# KiCad board BsidesKC-2022-Safe-Badge.kicad_pcb
title: BSidesKC2022; date: 2022-08-16; rev: 0-c; company: BadgePirates; note: Art: networkgeek; note: Schematic: FG
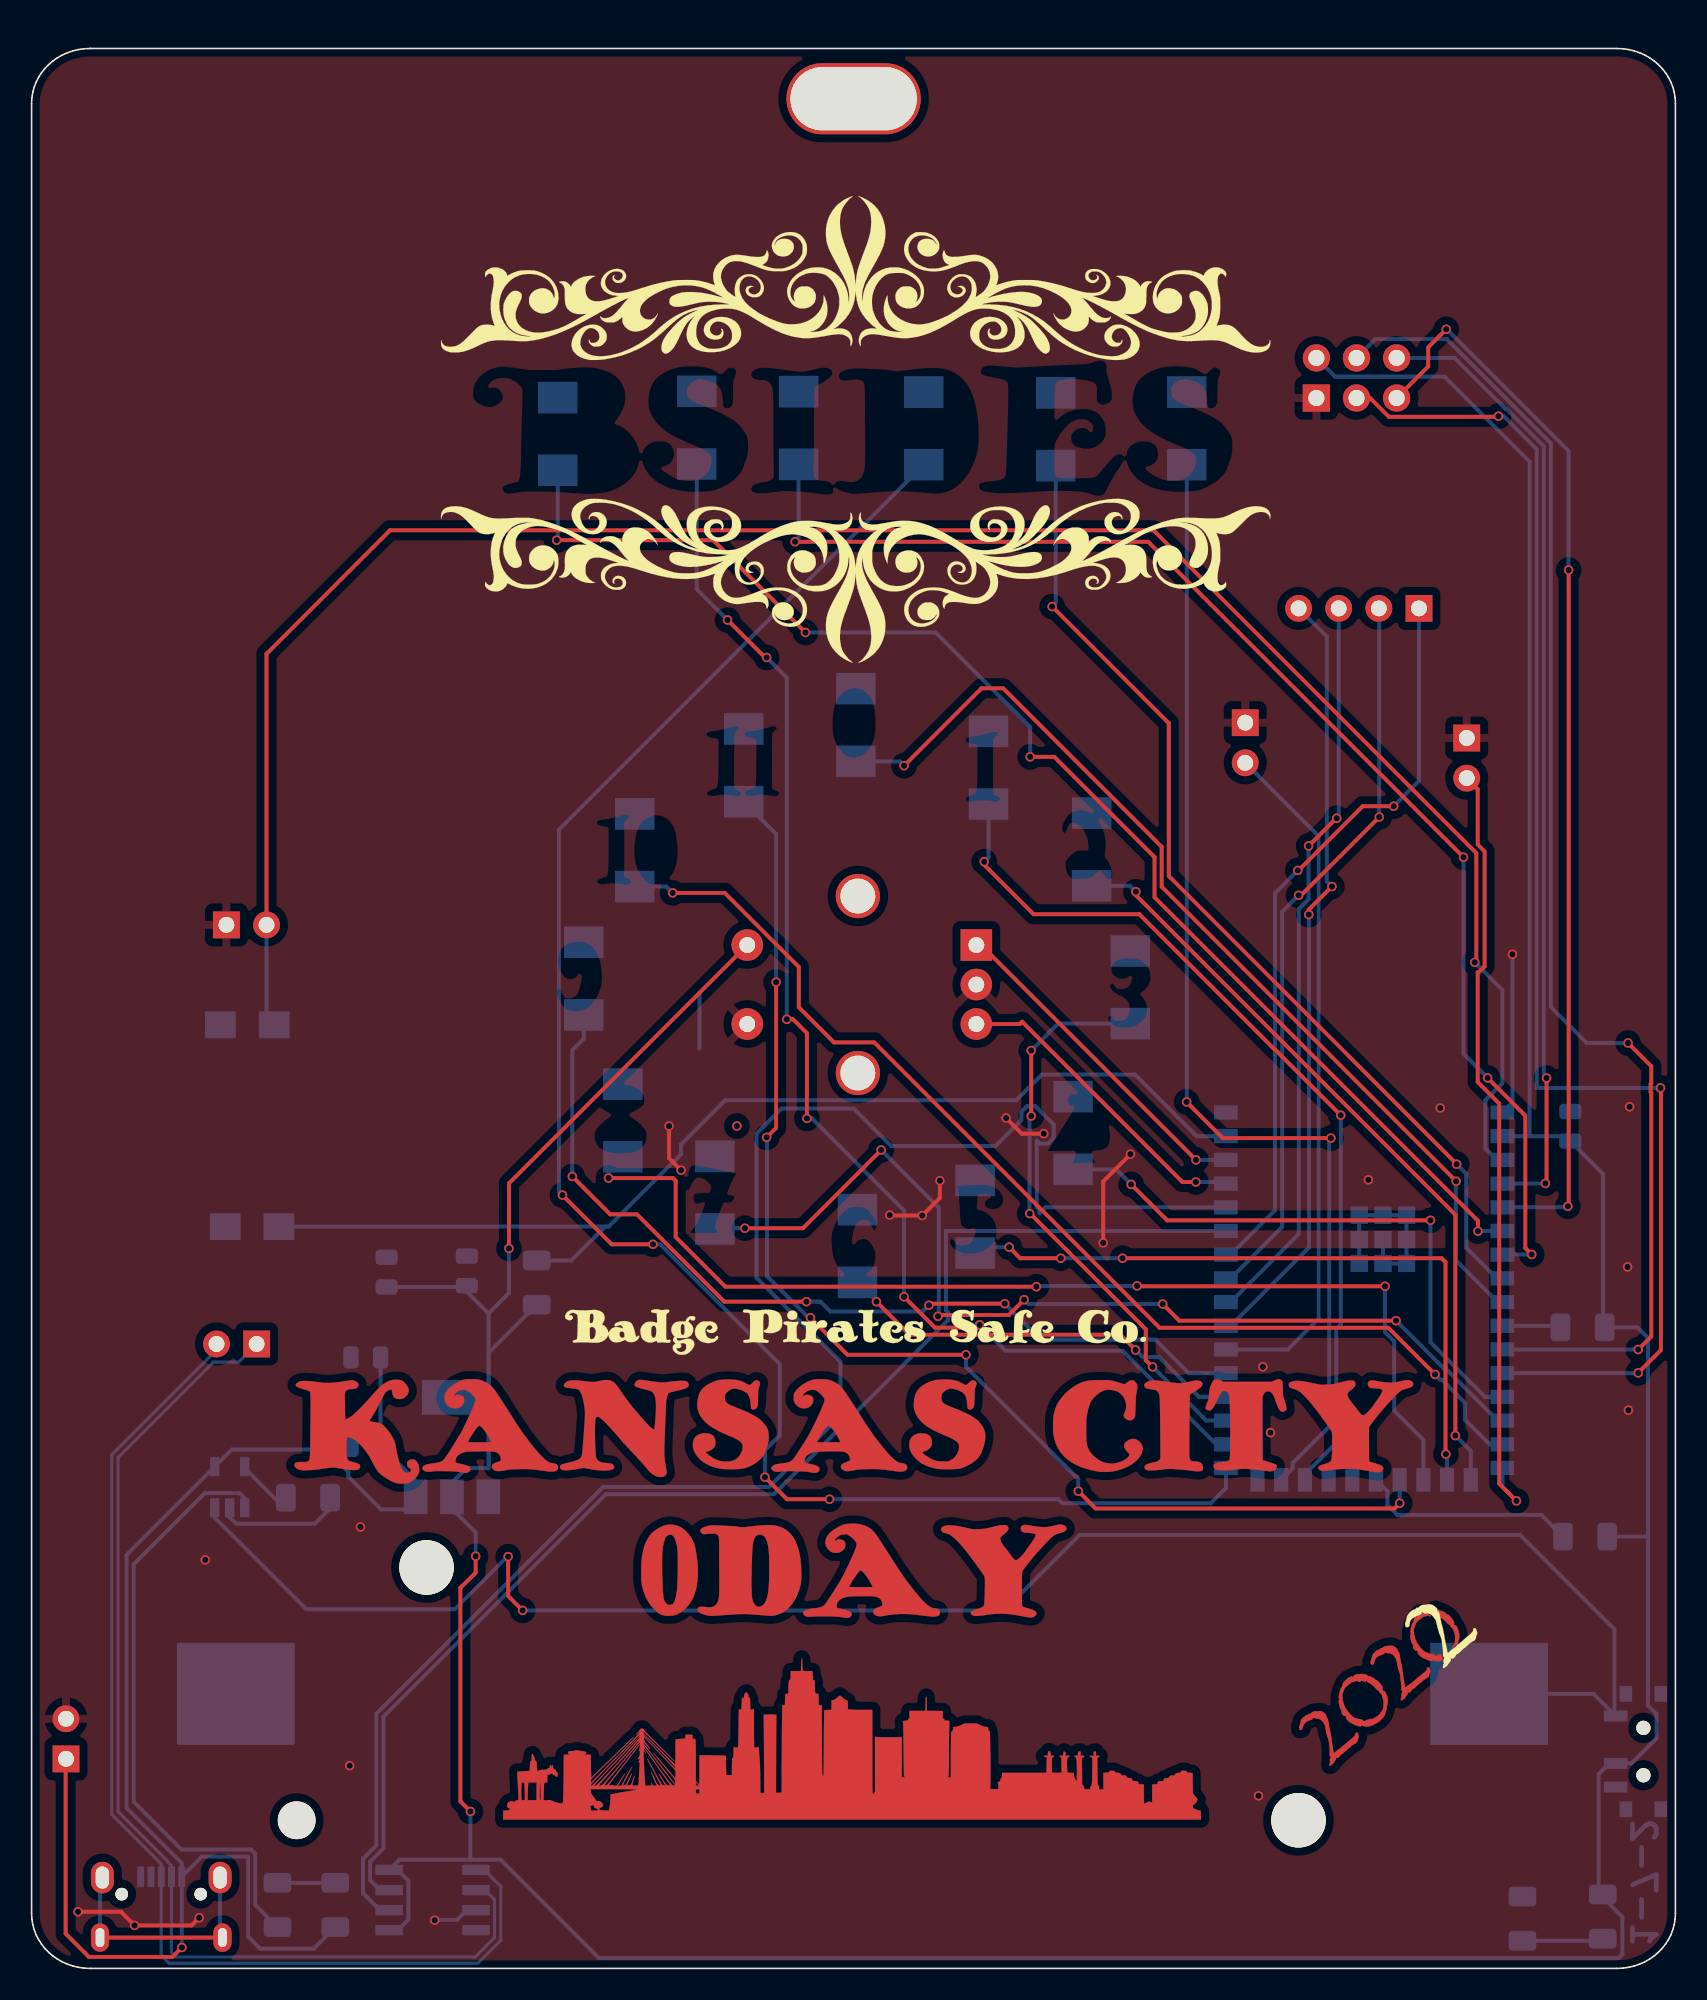
[diagram p0: board, top side]
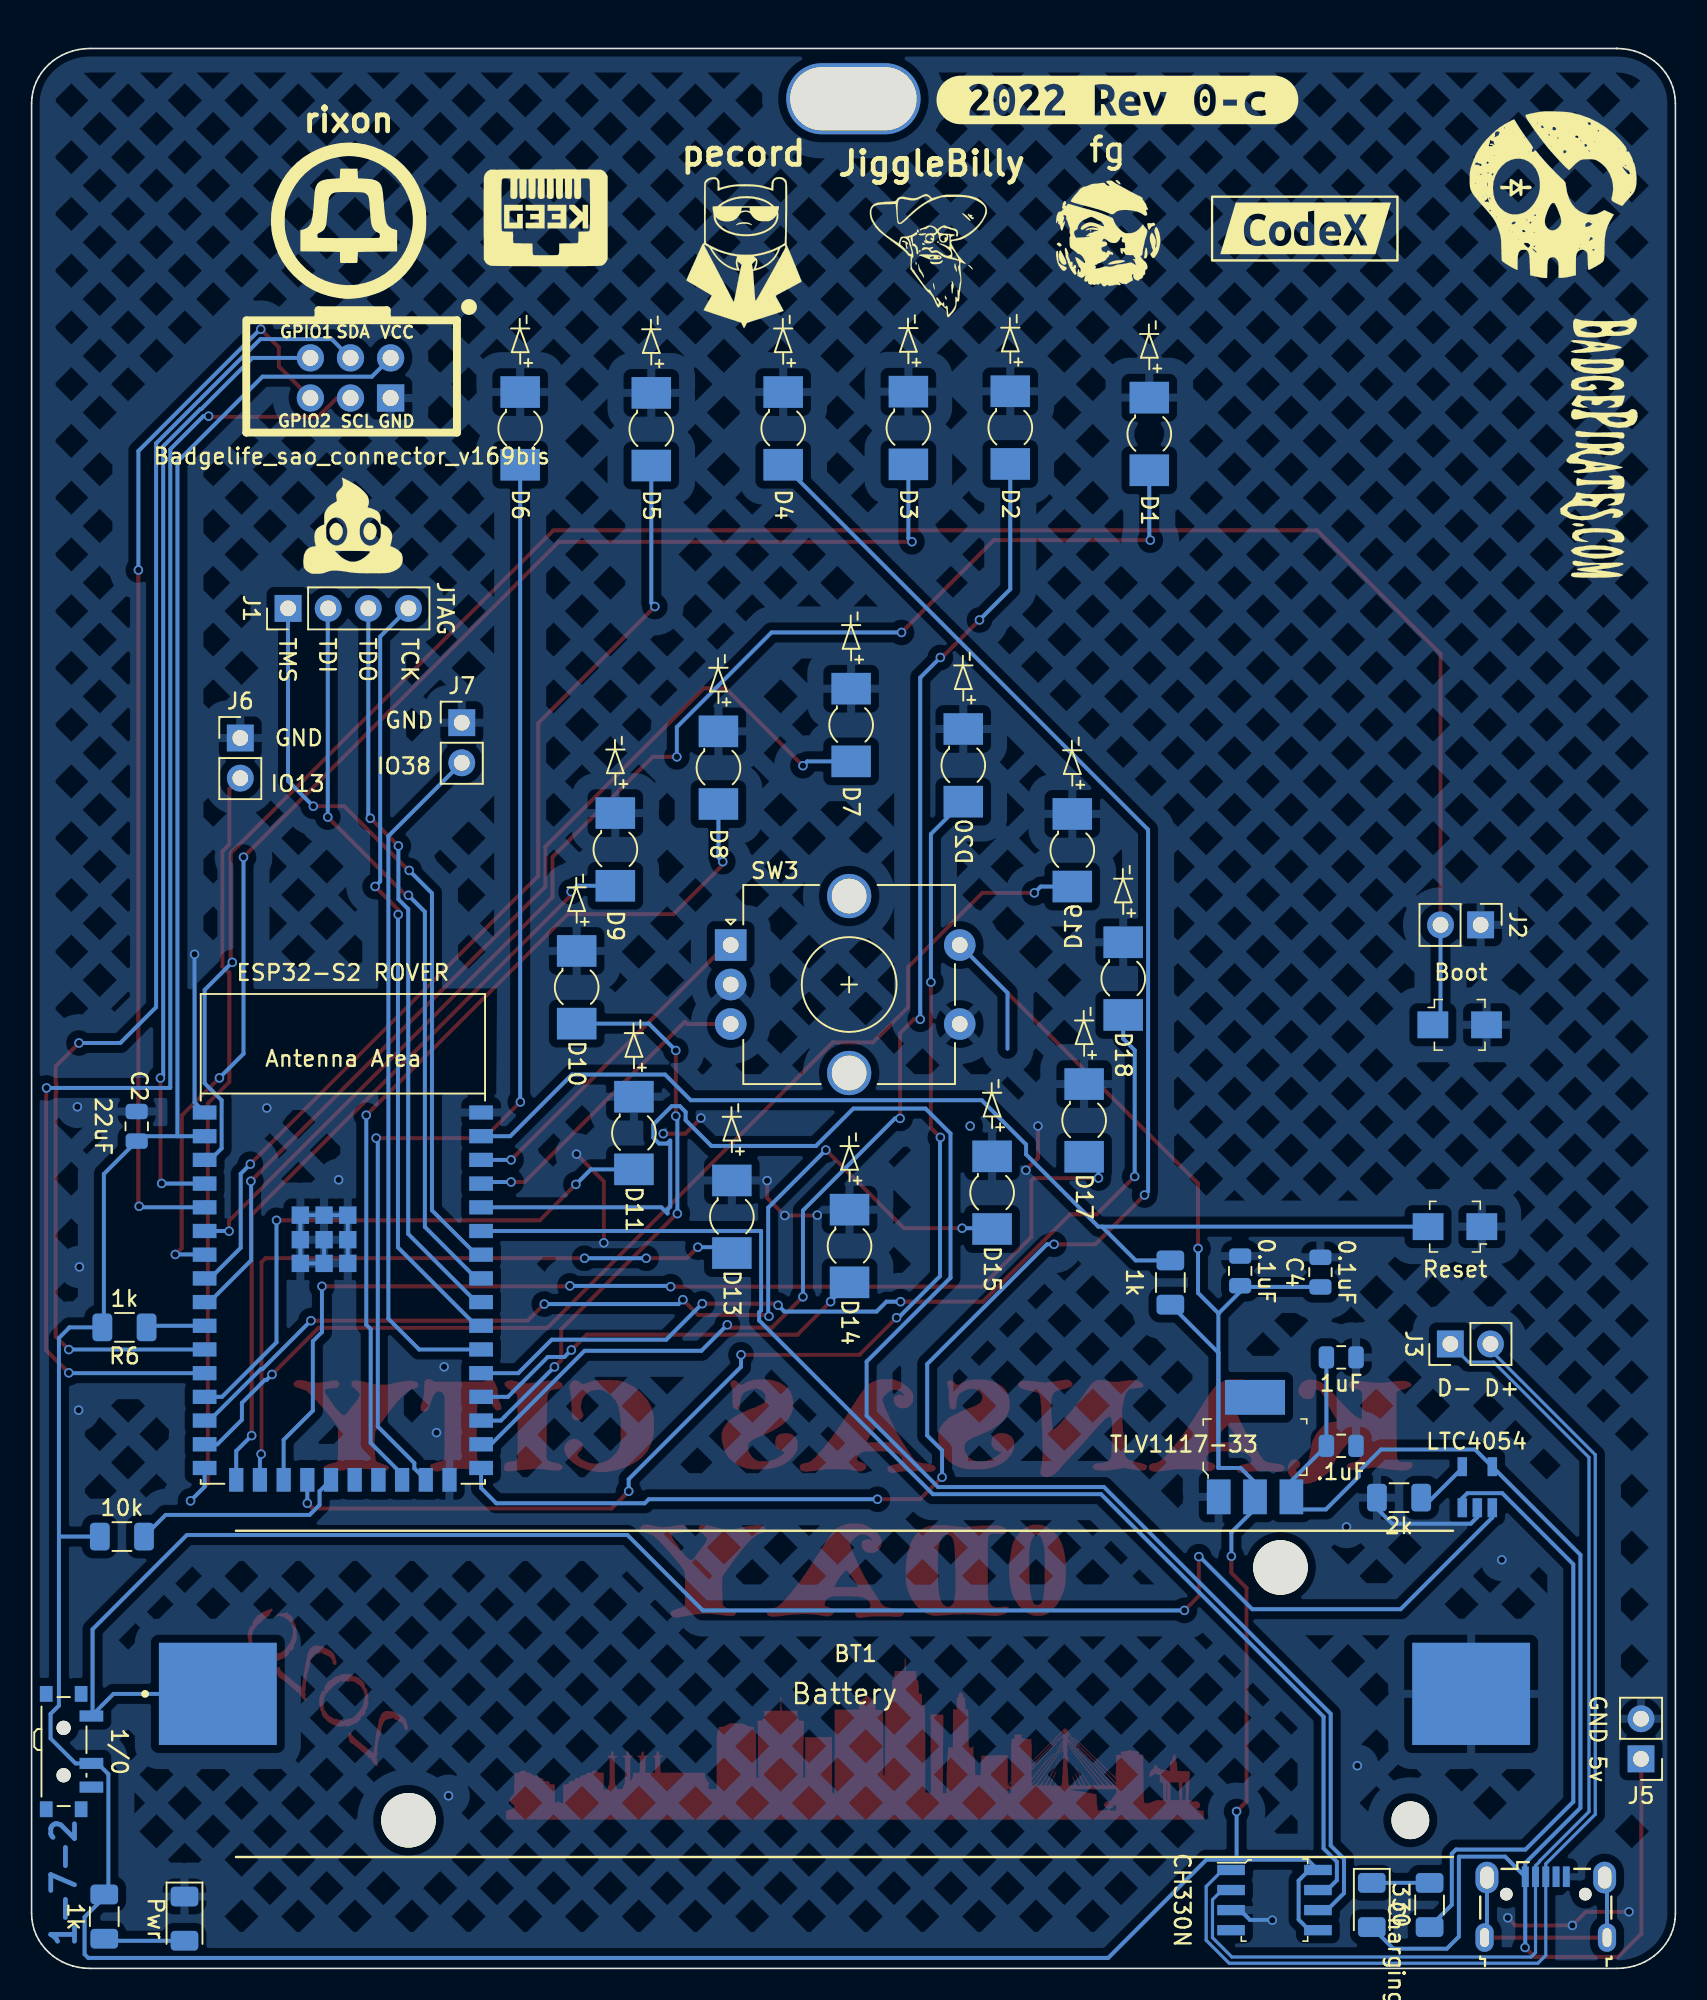
[diagram p1: board, bottom side, seen from below]

Outline 104.06 x 121.52 mm; copper layers: Top, Bottom. Coordinates in mm from the lower left corner of the outline.
Outline path: 0,118.05 0.02,118.4 0.07,118.75 0.17,119.08 0.29,119.4 0.45,119.71 0.63,119.99 0.84,120.26 1.08,120.51 1.35,120.73 1.63,120.93 1.94,121.1 2.26,121.25 2.6,121.37 2.96,121.45 3.32,121.51 3.7,121.52 100.36,121.52 100.74,121.51 101.1,121.45 101.46,121.37 101.8,121.25 102.12,121.1 102.43,120.93 102.71,120.73 102.98,120.51 103.22,120.26 103.43,119.99 103.61,119.71 103.77,119.4 103.89,119.08 103.99,118.75 104.04,118.4 104.06,118.05 104.06,3.48 104.04,3.12 103.99,2.77 103.89,2.44 103.77,2.12 103.61,1.82 103.43,1.53 103.22,1.26 102.98,1.02 102.71,0.79 102.43,0.59 102.12,0.42 101.8,0.27 101.46,0.16 101.1,0.07 100.74,0.02 100.36,0 3.7,0 3.32,0.02 2.96,0.07 2.6,0.16 2.26,0.27 1.94,0.42 1.63,0.59 1.35,0.79 1.08,1.02 0.84,1.26 0.63,1.53 0.45,1.82 0.29,2.12 0.17,2.44 0.07,2.77 0.02,3.12 0,3.48 0,118.05

## Placement (name value [footprint] x y rotation side)
1/0  SW_SPDT  [SW_SPDT_PCM12]  101.71 13.72 270 bottom
BT1  Battery  [Keystone-1042-0]  52.6 17.38 180 bottom
C1  1uF  [C_0805_2012Metric]  21.16 38.67 180 bottom
C2  22uF  [C_0805_2012Metric]  97.41 53.3 90 bottom
C3  0.1uF  [C_0805_2012Metric]  27.55 44.15 90 bottom
C4  0.1uF  [C_0805_2012Metric]  22.47 44.07 90 bottom
C5  .1uF  [C_0805_2012Metric]  21.16 33.07 180 bottom
D1  LED  [LED_Osram_Lx_P47F_D2mm_ReverseMount_Proper_Mask Only]  33.31 97.12 90 top
D2  LED  [LED_Osram_Lx_P47F_D2mm_ReverseMount_Proper_Mask Only]  42.11 97.52 90 top
D3  LED  [LED_Osram_Lx_P47F_D2mm_ReverseMount_Proper_Mask Only]  48.56 97.5 90 top
D4  LED  [LED_Osram_Lx_P47F_D2mm_ReverseMount_Proper_Mask Only]  56.48 97.47 90 top
D5  LED  [LED_Osram_Lx_P47F_D2mm_ReverseMount_Proper_Mask Only]  64.83 97.42 90 top
D6  LED  [LED_Osram_Lx_P47F_D2mm_ReverseMount_Proper_Mask Only]  73.13 97.47 90 top
D7  LED  [LED_Osram_Lx_P47F_D2mm_ReverseMount_Proper_Mask Only]  52.18 78.7 90 top
D8  LED  [LED_Osram_Lx_P47F_D2mm_ReverseMount_Proper_Mask Only]  60.58 76 90 top
D9  LED  [LED_Osram_Lx_P47F_D2mm_ReverseMount_Proper_Mask Only]  67.11 70.82 90 top
D10  LED  [LED_Osram_Lx_P47F_D2mm_ReverseMount_Proper_Mask Only]  69.56 62.1 90 top
D11  LED  [LED_Osram_Lx_P47F_D2mm_ReverseMount_Proper_Mask Only]  65.93 52.87 90 top
D12  Charging  [LED_1206_3216Metric]  19.22 4.02 270 bottom
D13  LED  [LED_Osram_Lx_P47F_D2mm_ReverseMount_Proper_Mask Only]  59.73 47.57 90 top
D14  LED  [LED_Osram_Lx_P47F_D2mm_ReverseMount_Proper_Mask Only]  52.28 45.72 90 top
D15  LED  [LED_Osram_Lx_P47F_D2mm_ReverseMount_Proper_Mask Only]  43.26 49.1 90 top
D16  Pwr  [LED_1206_3216Metric]  94.38 3.15 270 bottom
D17  LED  [LED_Osram_Lx_P47F_D2mm_ReverseMount_Proper_Mask Only]  37.43 53.67 90 top
D18  LED  [LED_Osram_Lx_P47F_D2mm_ReverseMount_Proper_Mask Only]  34.96 62.65 90 top
D19  LED  [LED_Osram_Lx_P47F_D2mm_ReverseMount_Proper_Mask Only]  38.18 70.77 90 top
D20  LED  [LED_Osram_Lx_P47F_D2mm_ReverseMount_Proper_Mask Only]  45.08 76.15 90 top
ESP32-S2 ROVER  ESP32-S2-WROOM  [ESP32-S2-WROVER]  84.36 43.02 180 bottom
G***  -  [LOGO]  -1.04 122.07 0 top
G***#2  fg  [FG_B.SILK]  35.96 110.04 0 top
G***#3  pecord  [pecord_B.SLK]  58.97 108.59 0 top
G***#4  NG_BSilk  [NG_B.SLK]  71.42 111.03 0 top
G***#5  JiggleBilly  [Jiggle_B.SLK]  47.19 109.13 0 top
G***#6  -  [LOGO]  -1.04 122.07 0 top
G***#7  -  [LOGO]  -1.04 122.07 0 top
G***#8  rixon  [rixon_B.SLK]  83.99 110.64 0 top
G***#9  BP Logo  [BPSkull_Distressed_B.SILK]  7.77 112.27 0 top
G***#10  -  [LOGO]  51.85 65.07 0 top
G***#11  LOGO  [BadgePiratesURL_B.SLK]  5.56 96.24 90 top
G***#12  -  [LOGO]  51.85 65.07 0 top
G***#13  LOGO  [shi%%y_B.SLK]  83.64 91.47 0 top
G***#14  LOGO  [F.SilkS_g1719]  51.97 65.08 0 top
J1  JTAG  [PinHeader_1x04_P2.54mm_Vertical]  87.83 86.08 90 bottom
J2  1x2  [PinHeader_1x02_P2.54mm_Vertical]  12.33 66.05 270 bottom
J3  D+ D-  [PinHeader_1x02_P2.54mm_Vertical]  14.25 39.52 90 bottom
J4  USB_B_Mini  [USB_Micro-B_Wuerth]  8.21 3.9 180 bottom
J5  VBUS/GND  [PinHeader_1x02_P2.54mm_Vertical]  2.18 13.26 0 bottom
J6  IO13  [PinHeader_1x02_P2.54mm_Vertical]  90.85 77.88 180 bottom
J7  IO38  [PinHeader_1x02_P2.54mm_Vertical]  76.83 78.85 180 bottom
kibuzzard-62C240C4  G***  [kibuzzard-62C240C4]  23.41 110.14 180 bottom
kibuzzard-62FC3E66  G***  [kibuzzard-62FC3E66]  35.32 118.26 180 bottom
R1  2k  [R_1206_3216Metric]  17.49 29.8 0 bottom
R2  330  [R_1206_3216Metric]  15.56 4.02 270 bottom
R3  1k  [R_1206_3216Metric]  99.46 3.28 270 bottom
R4  1k  [R_1206_3216Metric]  31.97 43.41 90 bottom
R5  10k  [R_1206_3216Metric]  98.34 27.33 0 bottom
R6  1k  [R_1206_3216Metric]  98.18 40.57 0 bottom
REF**  8x4 SLOT  [Slot_6x4mm]  52.04 118.34 0 top
Reset  Reset_Btn  [Switch_Tactile_SMD_B3U-1000P-BPVersion]  13.96 46.95 0 bottom
SW2  Boot  [Switch_Tactile_SMD_B3U-1000P-BPVersion]  13.66 59.72 180 bottom
SW3  RotaryEncoder_Switch  [RotaryEncoder_Alps_EC12E-Switch_Vertical_H20mm_CircularMountingHoles]  59.81 64.77 180 bottom
U1  -  [LTC4054]  12.54 30.46 180 bottom
U3  CH330N  [SOIC-8-1EP_W3.9mm]  25.38 4.32 270 bottom
U4  TLV1117-33  [SOT-223]  26.61 33 180 bottom
X1  Badgelife_sao_connector_v169bis  [Badgelife-SAOv169-SAO_Side_B.SLK]  83.48 100.59 0 top

## Footprints (pads in the part's own frame, mm; a bottom-side part is the same pattern mirrored in y, then rotated)
Badgelife-SAOv169-SAO_Side_B.SLK
  oval 1.727x1.727 hole 1.016: 1(-2.15,1.352) 3(0.39,1.352) 4(0.39,-1.188)
  rect 1.727x1.727 hole 1.016: 2(-2.15,-1.188)
  round 1.727 hole 1.016: 5(2.93,1.352) 6(2.93,-1.188)
C_0805_2012Metric
  rrect 0.975x1.4 smd: 1(-0.938,0) 2(0.938,0)
ESP32-S2-WROVER
  rect 1.5x0.9 smd: 1(-8.75,11.15) 2(-8.75,9.65) 3(-8.75,8.15) 4(-8.75,6.65) 5(-8.75,5.15) 6(-8.75,3.65) 7(-8.75,2.15) 8(-8.75,0.65) 9(-8.75,-0.85) 10(-8.75,-2.35) 11(-8.75,-3.85) 12(-8.75,-5.35) 13(-8.75,-6.85) 14(-8.75,-8.35) 15(-8.75,-9.85) 16(-8.75,-11.35) 27(8.75,-11.35) 28(8.75,-9.85) 29(8.75,-8.35) 30(8.75,-6.85) 31(8.75,-5.35) 32(8.75,-3.85) 33(8.75,-2.35) 34(8.75,-0.85) 35(8.75,0.65) 36(8.75,2.15) 37(8.75,3.65) 38(8.75,5.15) 39(8.75,6.65) 40(8.75,8.15) 41(8.75,9.65) 42(8.75,11.15)
  rect 0.9x1.5 smd: 17(-6.75,-12.1) 18(-5.25,-12.1) 19(-3.75,-12.1) 20(-2.25,-12.1) 21(-0.75,-12.1) 22(0.75,-12.1) 23(2.25,-12.1) 24(3.75,-12.1) 25(5.25,-12.1) 26(6.75,-12.1)
  rect 1.1x1.1 smd: 43(-2.69,1.6) 43(-2.69,3.1) 43(-2.69,4.65) 43(-1.19,1.6) 43(-1.19,3.1) 43(-1.19,4.65) 43(0.31,1.6) 43(0.31,3.1) 43(0.31,4.65)
Keystone-1042-0
  round 3.45 hole 3.45 unplated: (-27.6,-8) (27.6,8)
  round 2.39 hole 2.39 unplated: (35.82,-8)
  rect 7.46x6.47 smd: 1(-39.67,0) 2(39.67,0)
LED_1206_3216Metric
  rrect 1.25x1.75 smd: 1(-1.4,0) 2(1.4,0)
LED_Osram_Lx_P47F_D2mm_ReverseMount_Proper_Mask Only
  rect 1.956x2.464 smd: (-2.286,0)
  rect 1.93x2.438 smd: (2.286,0)
  rect 2x2.5 smd far side: 1(2.3,0) 2(-2.3,0)
LTC4054
  rect 0.6x1.2 smd: 1(-0.95,-1.3) 2(0,-1.3) 3(0.95,-1.3) 4(0.95,1.3) 5(-0.95,1.3)
PinHeader_1x02_P2.54mm_Vertical
  rect 1.7x1.7 hole 1: 1(0,0)
  oval 1.7x1.7 hole 1: 2(0,-2.54)
PinHeader_1x04_P2.54mm_Vertical
  rect 1.7x1.7 hole 1: 1(0,0)
  oval 1.7x1.7 hole 1: 2(0,-2.54) 3(0,-5.08) 4(0,-7.62)
R_1206_3216Metric
  rrect 1.25x1.75 smd: 1(-1.4,0) 2(1.4,0)
RotaryEncoder_Alps_EC12E-Switch_Vertical_H20mm_CircularMountingHoles
  rect 2x2 hole 1: A(0,0)
  round 2 hole 1: B(0,-5) C(0,-2.5) S1(14.5,0) S2(14.5,-5)
  round 2.8 hole 2.2: MP(7.5,-8.1) MP(7.5,3.1)
Slot_6x4mm
  oval 8.5x4.5 hole 8x4: (0,0)
SOIC-8-1EP_W3.9mm
  rect 0.65x1.75 smd: 1(-1.905,-2.75) 2(-0.635,-2.75) 3(0.635,-2.75) 4(1.905,-2.75) 5(1.905,2.75) 6(0.635,2.75) 7(-0.635,2.75) 8(-1.905,2.75)
SOT-223
  rect 1.5x2.2 smd: 1(-2.3,-3.15) 2(0,-3.15) 3(2.3,-3.15)
  rect 3.8x2.2 smd: 4(0,3.15)
SW_SPDT_PCM12
  rect 1x0.8 smd: (-3.65,-1.43) (-3.65,0.78) (3.65,-1.43) (3.65,0.78)
  round 0.9 hole 0.9 unplated: (-1.5,-0.33) (1.5,-0.33)
  rect 0.7x1.5 smd: 1(-2.25,1.43) 2(0.75,1.43) 3(2.25,1.43)
Switch_Tactile_SMD_B3U-1000P-BPVersion
  rect 1.948x1.7 smd: 1(-1.7,0) 2(1.7,0)
USB_Micro-B_Wuerth
  oval 0.8x0.8 hole 0.8 unplated: (-2.5,0.8) (2.5,0.8)
  rect 0.44x1.3 smd: 1(-1.3,1.9) 2(-0.65,1.9) 3(0,1.9) 4(0.65,1.9) 5(1.3,1.9)
  oval 1.15x1.8 hole 0.55x1.2: 6(-3.875,-1.95) 6(3.875,-1.95)
  oval 1.45x2 hole 0.85x1.4: 6(-3.725,1.85) 6(3.725,1.85)

## Nets
GND: BT1.2 C1.2 C2.2 C3.2 C4.2 C5.2 D1.1 D2.1 D3.1 D4.1 D5.1 D6.1 D7.1 D8.1 D9.1 D10.1 D11.1 D13.1 D14.1 D15.1 D16.1 D17.1 D18.1 D19.1 D20.1 ESP32-S2 ROVER.1 ESP32-S2 ROVER.26 ESP32-S2 ROVER.42 ESP32-S2 ROVER.43 J2.1 J4.5 J5.2 J6.1 J7.1 R1.2 Reset.1 SW2.2 SW3.C SW3.S2 U1.2 U3.3 U4.1 X1.2
VBUS: C1.1 C5.1 D12.2 J4.1 J5.1 U1.4 U4.3
VCC: 1/0.2 C2.1 C3.1 C4.1 ESP32-S2 ROVER.2 R3.1 R4.1 R5.2 R6.2 SW3.S1 U3.5 U3.8 U4.2 X1.1
Boot: ESP32-S2 ROVER.3 J2.2 SW2.1
D+: J3.2 J4.3 U3.1
D-: J3.1 J4.2 U3.2
IO01: ESP32-S2 ROVER.4 X1.5
IO02: ESP32-S2 ROVER.5 X1.6
IO03: D1.2 ESP32-S2 ROVER.6
IO04: D3.2 ESP32-S2 ROVER.7
IO05: D5.2 ESP32-S2 ROVER.8
IO06: D7.2 ESP32-S2 ROVER.9
IO07: ESP32-S2 ROVER.10 R6.1
IO08: ESP32-S2 ROVER.11 X1.3
IO09: ESP32-S2 ROVER.12 X1.4
IO10: D11.2 ESP32-S2 ROVER.13
IO11: D15.2 ESP32-S2 ROVER.14
IO12: D19.2 ESP32-S2 ROVER.15
IO13: ESP32-S2 ROVER.16 J6.2
IO14: D9.2 ESP32-S2 ROVER.17
IO15: D13.2 ESP32-S2 ROVER.18
IO16: D17.2 ESP32-S2 ROVER.19
IO17: D20.2 ESP32-S2 ROVER.20
IO21: D8.2 ESP32-S2 ROVER.24
IO26: D6.2 ESP32-S2 ROVER.25
IO33: D4.2 ESP32-S2 ROVER.27
IO34: D2.2 ESP32-S2 ROVER.28
IO35: D10.2 ESP32-S2 ROVER.29
IO36: D14.2 ESP32-S2 ROVER.30
IO37: D18.2 ESP32-S2 ROVER.31
IO38: ESP32-S2 ROVER.32 J7.2
IO39: ESP32-S2 ROVER.33 J1.4
IO40: ESP32-S2 ROVER.34 J1.3
IO41: ESP32-S2 ROVER.35 J1.2
IO42: ESP32-S2 ROVER.36 J1.1
IO45: ESP32-S2 ROVER.39 SW3.B
IO46: ESP32-S2 ROVER.40 SW3.A
RESET: ESP32-S2 ROVER.41 R4.2 Reset.2
USB_RX_ESP_TX: ESP32-S2 ROVER.37 U3.7
USB_TX_ESP_RX: ESP32-S2 ROVER.38 U3.6
Net-(BT1-Pad1): 1/0.1 BT1.1 U1.3
Net-(D12-Pad1): D12.1 R2.1
Net-(D16-Pad2): D16.2 R3.2
Net-(R1-Pad1): R1.1 U1.5
Net-(R2-Pad2): R2.2 U1.1
Net-(R5-Pad1): ESP32-S2 ROVER.21 R5.1

Pads without a net: 1/0 3; ESP32-S2 ROVER 22 23; J4 4 6; SW3 MP; U3 4; U4 4

## Via types
v1: diameter 0.6, hole 0.4, Top to Bottom, 116 vias

## Routing (per net, layer and track width the routed paths; a pad name or vN(x,y) marks a point on that pad's centre or on a via; arc(x,y) is an arc through that point)
GND: length 57.9
  Top w0.25: v1(61.69,53.82) 62.68,52.83 v1(64.08,52.83) ; v1(54.32,47.68) 54.35,47.65 v1(56.38,47.65) 57.5,48.77 v1(57.5,49.86) ; v1(2.94,3.58) 5.66,3.58 v1(6.52,2.72) 10.13,2.72 v1(10.61,3.2) ; v1(69.56,51.54) 67.84,49.81 v1(67.84,45.93) ; v1(41.12,50.52) 40.35,51.28 v1(40.35,53.32)
  Bottom w0.25: ESP32-S2 ROVER.43 ESP32-S2 ROVER.43 ESP32-S2 ROVER.43 ESP32-S2 ROVER.43 ESP32-S2 ROVER.43 ESP32-S2 ROVER.43 ESP32-S2 ROVER.43 ESP32-S2 ROVER.43 ESP32-S2 ROVER.43 ; U3.3 27.55,3.69 26.93,3.07 25.54,3.07 v1(25.52,3.05) ; ESP32-S2 ROVER.1 93.74,54.81 v1(93.74,64.19) ; U1.2 12.54,28.56 12.95,28.15 17.93,28.15 18.87,29.09
  vias: v1(10.99,25.86) v1(20.13,12.83) v1(20.82,27.94) v1(77.67,10.92) v1(77.95,38.08) v1(78.43,33.91) v1(84.63,49.91) v1(89.17,54.46) v1(101.03,44.4) v1(101.08,35.33) v1(101.16,54.54)
VBUS: length 95.2
  Top w0.25: 2.16,13.27 2.16,2.2 3.63,0.73 8.92,0.73 v1(9.52,1.32)
  Bottom w0.25: C1.1 C5.1 24.36,30.81 24.36,29.05 22.13,29.05 20.05,31.13 20.05,31.43 18.64,32.84 12.68,32.84 6.01,26.18 6.01,10.16 9.51,6.67 J4.1 ; v1(9.52,1.32) 9.51,1.34 J4.1 ; J4.1 10.78,7.07 13.71,7.07 13.71,2.01 14.47,1.25 17.85,1.25 D12.2
VCC: length 304.9
  Top w0.25: v1(27.78,9.93) 27.15,10.57 27.15,24.08 28.11,25.05 v1(28.11,26.09) ; SW3.S1 30.22,49.69 v1(30.22,45.57)
  Bottom w0.25: 28.93,41.45 28.92,41.46 30.22,42.75 v1(30.22,45.57) ; 28.93,41.45 27.55,42.83 C3.1 27.48,43.13 C4.1 ; 28.93,41.45 28.93,31.67 ; 27.78,6.88 29.69,6.88 35.91,0.66 100.48,0.66 100.7,0.89 100.7,3.25 99.2,4.75 99.2,12.3 99.88,12.97 1/0.2 101.28,12.97 102.86,14.56 102.86,16.1 102.33,16.63 102.33,27.38 ; 27.78,6.88 27.78,9.93 v1(27.78,9.93) ; 27.78,6.88 23.28,6.88 U3.8 23.18,6.23 23.85,5.56 23.85,3.09 23.18,2.42 U3.5 ; R4.1 28.93,38.97 28.93,31.67 ; 102.33,27.38 102.33,39.9 101.66,40.57 R6.2 99.48,40.67 99.48,50.28 C2.1 97.09,52.67 94.83,52.67 ; 102.33,27.38 102.28,27.33 R5.2 ; 42.28,58.21 42.28,61.75 SW3.S1 ; ESP32-S2 ROVER.2 94.83,52.67 ; 94.83,52.67 94.83,95.37 89.45,100.75 82.52,100.75 X1.1 ; v1(28.11,26.09) 28.11,27.59 26.66,29.05 26.66,30.81 27.53,31.67 28.93,31.67
(no net):
  vias: v1(44.65,53.32)
Boot: length 133.2
  Top w0.25: v1(91.36,63.68) 91.46,63.78 91.46,70.59 71.02,91.03 22.69,91.03 14.87,83.21 J2.2
  Bottom w0.25: SW2.1 14.87,60.21 J2.2 ; v1(91.36,63.68) 93.11,61.93 93.11,56.02 92.03,54.95 92.03,51.9 92.76,51.17 ESP32-S2 ROVER.3
D+: length 70.1
  Bottom w0.2: 11.73,39.17 5.07,32.51 5.07,9.75 8.21,6.62 J4.3 8.21,0.82 8.71,0.32 28.25,0.32 29.7,1.78 29.7,5.18 28.66,6.23 U3.1
D-: length 69.4
  Bottom w0.2: J3.1 13.1,38.38 11.5,38.38 5.47,32.34 5.47,9.92 8.6,6.78 8.6,6.75 8.86,6.5 J4.2 8.86,1 9.13,0.72 28.08,0.72 29.3,1.95 29.3,4.35 28.7,4.96 U3.2
IO01: length 61.1
  Top w0.25: v1(95.83,49.68) 95.9,49.76 v1(95.9,56.35)
  Bottom w0.25: X1.5 90.08,101.94 93.32,98.7 93.37,98.7 95.73,96.34 95.73,56.53 v1(95.9,56.35) ; v1(95.83,49.68) 95.82,49.67 ESP32-S2 ROVER.4
IO02: length 68.6
  Top w0.25: X1.6 88.41,101.4 88.41,102.61 v1(89.55,103.75) ; v1(97.25,48.24) 97.3,48.29 v1(97.3,88.51)
  Bottom w0.25: v1(97.3,88.51) 97.3,96.04 89.59,103.75 v1(89.55,103.75) ; v1(97.25,48.24) 97.19,48.17 ESP32-S2 ROVER.5
IO03: length 85.4
  Top w0.25: v1(63.21,76.68) 64.74,76.68 71.09,70.33 71.09,67.79 91.56,47.32 v1(91.56,46.66) ; v1(33.24,90.4) 43.15,90.4 v1(48.99,84.56)
  Bottom w0.25: v1(91.56,46.66) 91.57,46.67 ESP32-S2 ROVER.6 ; v1(33.24,90.4) 33.31,90.46 D1.2 ; v1(63.21,76.68) 63.21,78.57 57.22,84.56 v1(48.99,84.56)
IO04: length 84.4
  Top w0.25: v1(92.17,56.36) 94.56,53.98 94.56,45.6 v1(94.96,45.19) ; v1(48.33,90.3) 70.68,90.3 v1(90.65,70.33)
  Bottom w0.25: v1(94.96,45.19) 93.12,45.19 ESP32-S2 ROVER.7 ; v1(48.33,90.3) 48.56,90.52 D3.2 ; v1(92.17,56.36) 90.65,57.89 v1(90.65,70.33)
IO05: length 63.6
  Top w0.25: v1(90.21,50.9) 90.21,50.92 71.99,69.14 71.99,78.82 v1(64.61,86.2)
  Bottom w0.25: ESP32-S2 ROVER.8 92.76,43.67 90.82,45.61 90.82,50.29 v1(90.21,50.9) ; D5.2 64.83,86.42 v1(64.61,86.2)
IO06: length 63.6
  Top w0.25: v1(90.18,49.82) 71.54,68.47 71.54,70.99 61.51,81.02 60.13,81.02 v1(55.23,76.12)
  Bottom w0.25: v1(90.18,49.82) 90.16,49.81 90.16,44.82 92.81,42.17 ESP32-S2 ROVER.9 ; v1(55.23,76.12) 54.96,76.4 D7.2
IO07: length 3.7
  Bottom w0.25: R6.1 96.68,40.67 ESP32-S2 ROVER.10
IO08: length 86
  Top w0.25: v1(101.7,39.17) 102.53,40 102.53,55.43 102.49,55.47 102.49,55.99 102.53,56.03 102.53,57.1 v1(101.06,58.57)
  Bottom w0.25: X1.3 85.06,103.13 89.58,103.13 96.18,96.53 96.18,60.84 98.44,58.57 v1(101.06,58.57) ; ESP32-S2 ROVER.11 101.7,39.17 v1(101.7,39.17)
IO09: length 88.3
  Top w0.25: v1(101.7,37.7) 103.14,39.13 103.14,55.7 v1(103.12,55.73) ; X1.4 84.73,99.4 85.92,98.21 92.82,98.21 v1(92.86,98.25)
  Bottom w0.25: v1(103.12,55.73) 95.29,55.73 95.28,55.74 95.28,96.16 93.19,98.25 v1(92.86,98.25) ; ESP32-S2 ROVER.12 101.68,37.67 v1(101.7,37.7)
IO10: length 37.7
  Top w0.25: v1(69.61,49.62) 71.88,47.35 v1(88.56,47.35)
  Bottom w0.25: D11.2 68.66,50.57 v1(69.61,49.62) ; ESP32-S2 ROVER.13 92.01,36.17 88.56,39.62 v1(88.56,47.35)
IO11: length 64
  Top w0.25: v1(45.15,46.85) 48.83,46.85 v1(53.78,51.8) ; v1(86.38,41) 72.66,41 v1(71.61,42.05) ; v1(62.83,42.32) 61.86,41.36 57.46,41.36 v1(57.38,41.27)
  Bottom w0.25: v1(57.38,41.27) 57.43,41.32 57.43,48.15 v1(53.78,51.8) ; ESP32-S2 ROVER.14 92.81,34.67 89.54,37.94 89.44,37.94 v1(86.38,41) ; 43.26,46.8 43.31,46.85 v1(45.15,46.85) ; v1(71.61,42.05) 63.11,42.05 v1(62.83,42.32)
IO12: length 71.7
  Top w0.25: v1(40.58,68.07) 43.88,68.07 48.57,63.39 48.57,60.84 50.79,58.61 53.34,58.61 71.41,40.55 85.89,40.55 v1(88.84,37.59)
  Bottom w0.25: v1(40.58,68.07) 40.18,68.47 D19.2 ; v1(88.84,37.59) 89.19,37.25 89.29,37.25 90.75,35.79 90.75,34.72 92.3,33.17 ESP32-S2 ROVER.15
IO13: length 49.9
  Top w0.25: J6.2 91.54,74.64 91.54,71.14 91.98,70.7 91.98,63.42 91.62,63.06 91.54,63.06 91.54,56.11 92.91,54.75 92.91,30.69 v1(94,29.59)
  Bottom w0.25: v1(94,29.59) 93.11,30.49 ESP32-S2 ROVER.16
IO14: length 49
  Top w0.25: v1(90.13,33.72) 90.13,47.7 69.91,67.93 v1(69.91,68.15)
  Bottom w0.25: v1(90.13,33.72) 91.11,32.75 ESP32-S2 ROVER.17 ; v1(69.91,68.15) 69.53,68.52 D9.2
IO15: length 44.1
  Top w0.25: v1(69.06,44.95) 89.26,44.95 89.51,44.7 89.51,32.57 v1(89.53,32.55) ; v1(61.88,45.65) 62.58,44.95 v1(65.16,44.95)
  Bottom w0.25: D13.2 60.11,45.65 v1(61.88,45.65) ; v1(89.53,32.55) 89.61,32.47 ESP32-S2 ROVER.18 ; v1(69.06,44.95) v1(65.16,44.95)
IO16: length 69.1
  Top w0.25: v1(69.98,43.2) 70.01,43.17 v1(85.68,43.17) ; v1(63.61,43.15) 43.92,43.15 40.77,46.29 40.77,49.85 40.6,50.02 v1(36.52,50.02)
  Bottom w0.25: D17.2 36.52,50.47 v1(36.52,50.02) ; v1(69.98,43.2) 63.66,43.2 v1(63.61,43.15) ; v1(85.68,43.17) 85.68,40.27 86.26,39.7 86.26,35.3 88.11,33.45 ESP32-S2 ROVER.19
IO17: length 79.9
  Top w0.25: v1(47.13,62.42) 47.13,53.2 v1(46.53,52.6) ; 49.3,41.06 v1(49.3,41.19) 51.65,38.84 v1(59.15,38.84) ; v1(66.26,30.2) 67.35,29.11 86.28,29.11 v1(86.61,29.44)
  Bottom w0.25: v1(47.13,62.42) 47.13,71.8 D20.2 ; v1(66.26,30.2) 66.26,30.96 59.15,38.08 v1(59.15,38.84) ; v1(46.53,52.6) 46.56,52.57 46.56,43.81 49.18,41.19 v1(49.3,41.19) ; ESP32-S2 ROVER.20 v1(86.61,29.44)
IO21: length 57.1
  Top w0.25: v1(82.87,54) 78.73,58.14 78.71,58.14 70.13,66.72 63.43,66.72 60.31,69.85 v1(60.31,70.05)
  Bottom w0.25: ESP32-S2 ROVER.24 80.61,31.27 82.59,33.26 82.59,40.46 82.87,40.74 v1(82.87,54) ; D8.2 60.58,70.32 v1(60.31,70.05)
IO26: length 73.3
  Top w0.25: v1(82.25,52.55) 75.41,52.55 v1(73.12,54.84)
  Bottom w0.25: D6.2 73.13,54.85 v1(73.12,54.84) ; ESP32-S2 ROVER.25 79.83,31.65 79.83,31.99 82.14,34.3 82.14,52.45 v1(82.25,52.55)
IO33: length 113.2
  Top w0.25: v1(50.51,29.69) 47.82,29.69 v1(46.42,31.09) ; v1(33.61,48.95) 36.72,45.83 v1(39.34,45.83)
  Bottom w0.25: v1(33.61,48.95) 33.38,49.17 33.38,72.08 D4.2 ; ESP32-S2 ROVER.27 75.61,30.4 74.64,29.44 65.25,29.44 64.99,29.69 v1(50.51,29.69) ; v1(46.42,31.09) 46.42,32.79 47.36,33.73 47.36,38.25 39.79,45.83 v1(39.34,45.83)
IO34: length 83
  Top w0.25: v1(49.08,53.8) 49.08,59.2 48.21,60.07 v1(47.81,60.07) ; v1(55.23,42.51) 57.18,40.56 59.84,40.56 v1(60.02,40.73) ; v1(46.53,82.97) 46.43,82.97 v1(44.06,85.35)
  Bottom w0.25: v1(55.23,42.51) 55.23,47.97 49.4,53.8 v1(49.08,53.8) ; ESP32-S2 ROVER.28 74.97,33.17 69.06,39.09 61.66,39.09 v1(60.02,40.73) ; v1(47.81,60.07) 47.81,81.7 v1(46.53,82.97) ; D2.2 42.11,87.3 v1(44.06,85.35)
IO35: length 36.3
  Top w0.25: v1(63.28,53.95) v1(63.28,58.1) ; v1(70.96,38.08) 70.96,38.08 70.53,38.5 70.53,40.46 63.21,47.77 v1(63.18,47.77)
  Bottom w0.25: v1(63.28,58.1) 64.98,59.8 69.56,59.8 ; ESP32-S2 ROVER.29 74.36,34.67 74.12,34.91 74.12,34.92 v1(70.96,38.08) ; v1(63.18,47.77) 63.18,53.85 v1(63.28,53.95)
IO36: length 26.3
  Top w0.25: v1(53.48,42.2) 55.57,40.11 68.92,40.11 v1(69.89,39.14)
  Bottom w0.25: v1(53.48,42.2) 53.48,42.22 D14.2 ; v1(69.89,39.14) 70.33,38.7 71.38,38.7 73.91,36.17 ESP32-S2 ROVER.30
IO37: length 57.5
  Top w0.25: v1(56.81,41.97) 56.91,42.07 v1(61.61,42.07) ; v1(34.23,50.12) 36.63,47.73 38.32,47.73 43.85,42.2 v1(49.05,42.2)
  Bottom w0.25: D18.2 34.96,58.84 34.23,58.12 v1(34.23,50.12) ; ESP32-S2 ROVER.31 73.26,37.67 71.13,39.8 63.88,39.8 v1(61.61,42.07) ; v1(56.81,41.97) 56.41,41.58 50.57,41.58 49.94,42.2 v1(49.05,42.2)
IO38: length 43.8
  Bottom w0.25: ESP32-S2 ROVER.32 79.53,39.17 81.48,41.12 81.48,71.66 J7.2
IO39: length 49.3
  Top w0.25: v1(80.85,66.7) 80.85,67.02 v1(82.31,68.48)
  Bottom w0.25: v1(82.31,68.48) 81.99,68.8 81.99,84.29 J1.4 ; ESP32-S2 ROVER.33 75.91,40.67 80.87,45.64 80.87,66.7 v1(80.85,66.7)
IO40: length 47.1
  Top w0.25: v1(80.84,71.05) 82.59,72.8 v1(82.62,72.8)
  Bottom w0.25: ESP32-S2 ROVER.34 75.91,42.17 80.22,46.49 80.22,67.05 80.84,67.67 v1(80.84,71.05) ; J1.3 82.75,72.93 v1(82.62,72.8)
IO41: length 46.7
  Top w0.25: v1(85.31,72.87) 80.36,67.92 v1(80.21,67.92)
  Bottom w0.25: v1(80.21,67.92) 79.16,66.88 79.16,46.93 75.91,43.67 ESP32-S2 ROVER.35 ; v1(85.31,72.87) 85.31,85.92 85.29,85.94 J1.2
IO42: length 47.3
  Top w0.25: v1(80.16,69.5) 80.2,69.5 84.26,73.56 v1(86.23,73.56)
  Bottom w0.25: v1(86.23,73.56) 87.83,75.16 J1.1 ; ESP32-S2 ROVER.36 75.91,45.17 78.72,47.98 78.72,68.06 v1(80.16,69.5)
IO45: length 20.1
  Top w0.25: SW3.B 62.56,59.77 62.71,59.92 72.85,49.77 v1(73.71,49.77)
  Bottom w0.25: v1(73.71,49.77) 75.51,49.77 ESP32-S2 ROVER.39
IO46: length 21.4
  Top w0.25: SW3.A 60.11,64.77 v1(73.71,51.17)
  Bottom w0.25: ESP32-S2 ROVER.40 v1(73.71,51.17)
RESET: length 71.1
  Bottom w0.25: 36.31,46.95 34.17,44.81 R4.2 ; 36.31,46.95 36.53,46.95 41.11,51.52 41.11,52.15 43.91,54.95 62.33,54.95 63.96,56.57 69.86,56.57 73.76,52.67 ESP32-S2 ROVER.41 ; 36.31,46.95 Reset.2
USB_RX_ESP_TX: length 81.7
  Bottom w0.25: U3.7 22.05,4.96 21.43,5.58 21.43,6.75 22.27,7.59 22.27,15.93 36.36,30.02 47.01,30.02 58,41.02 58,41.53 57.88,41.66 57.88,46.67 ESP32-S2 ROVER.37
USB_TX_ESP_RX: length 112.1
  Bottom w0.25: ESP32-S2 ROVER.38 64.19,48.17 63.8,47.79 63.8,48.03 63.63,48.21 63.63,52.4 63.82,52.21 64.34,52.21 64.7,52.58 64.7,53.41 63.54,54.57 63.02,54.57 62.66,54.21 62.66,53.69 61.02,52.06 54.4,52.06 52.04,54.42 47.47,54.42 45.89,52.84 45.89,43.72 51.2,38.41 51.2,34.98 46.68,30.47 36.17,30.47 21.82,16.12 21.82,7.78 20.98,6.94 20.98,4.76 22.05,3.69 U3.6
Net-(BT1-Pad1): length 114.4
  Top w0.25: v1(31.08,22.66) 30.17,23.57 v1(30.17,26.06)
  Bottom w0.25: v1(31.08,22.66) 61.57,22.66 66.34,27.43 94.23,27.43 100.2,21.46 100.2,16.05 1/0.1 98.87,17.38 BT1.1 ; v1(30.17,26.06) 30.12,26.06 26.79,22.74 17.39,22.74 11.59,28.54 11.59,29.16
Net-(D12-Pad1): length 3.8
  Bottom w0.25: 15.54,5.62 15.74,5.42 D12.1
Net-(D16-Pad2): length 5.2
  Bottom w0.25: 99.51,1.65 99.41,1.75 94.38,1.75
Net-(R1-Pad1): length 3.7
  Bottom w0.25: 16.07,29.09 13.49,31.66 U1.5
Net-(R2-Pad2): length 38.9
  Bottom w0.25: U1.1 13.49,29.76 13.16,30.08 10.97,30.08 6.46,25.58 6.46,10.55 9.49,7.52 13.89,7.52 14.16,7.26 14.16,4.02 R2.2
Net-(R5-Pad1): length 13.8
  Bottom w0.25: R5.1 95.57,28.7 86.46,28.7 85.83,29.33 85.83,30.2 ESP32-S2 ROVER.21
unconnected-(J4-Pad6): length 16
  Top w0.25: J4.6 J4.6 11.93,2.1
  Bottom w0.25: 11.93,5.75 11.93,2.1 J4.6 ; 4.67,1.93 4.66,1.95 J4.6 4.33,5.6 4.48,5.75

## Copper pours and planes (outline as drawn; the poured copper is in the pictures)
GND on Top: 105.71,127.59 109.85,-3.17 -4.78,-3.1 -4.88,27.13 -8.21,128.04
GND on Bottom: 112.72,-7.74 -2.01,-7.16 -5.37,127.48 111.47,127.74

## Text on the board
Bottom: 1-7-2
B.Silkscreen: D- D+ | GND | GND 5v | TCK | TDO | TDI | TMS
